# Altium PCB FMC_SDR_XFE.PcbDoc (part 1 of 4) (continued)
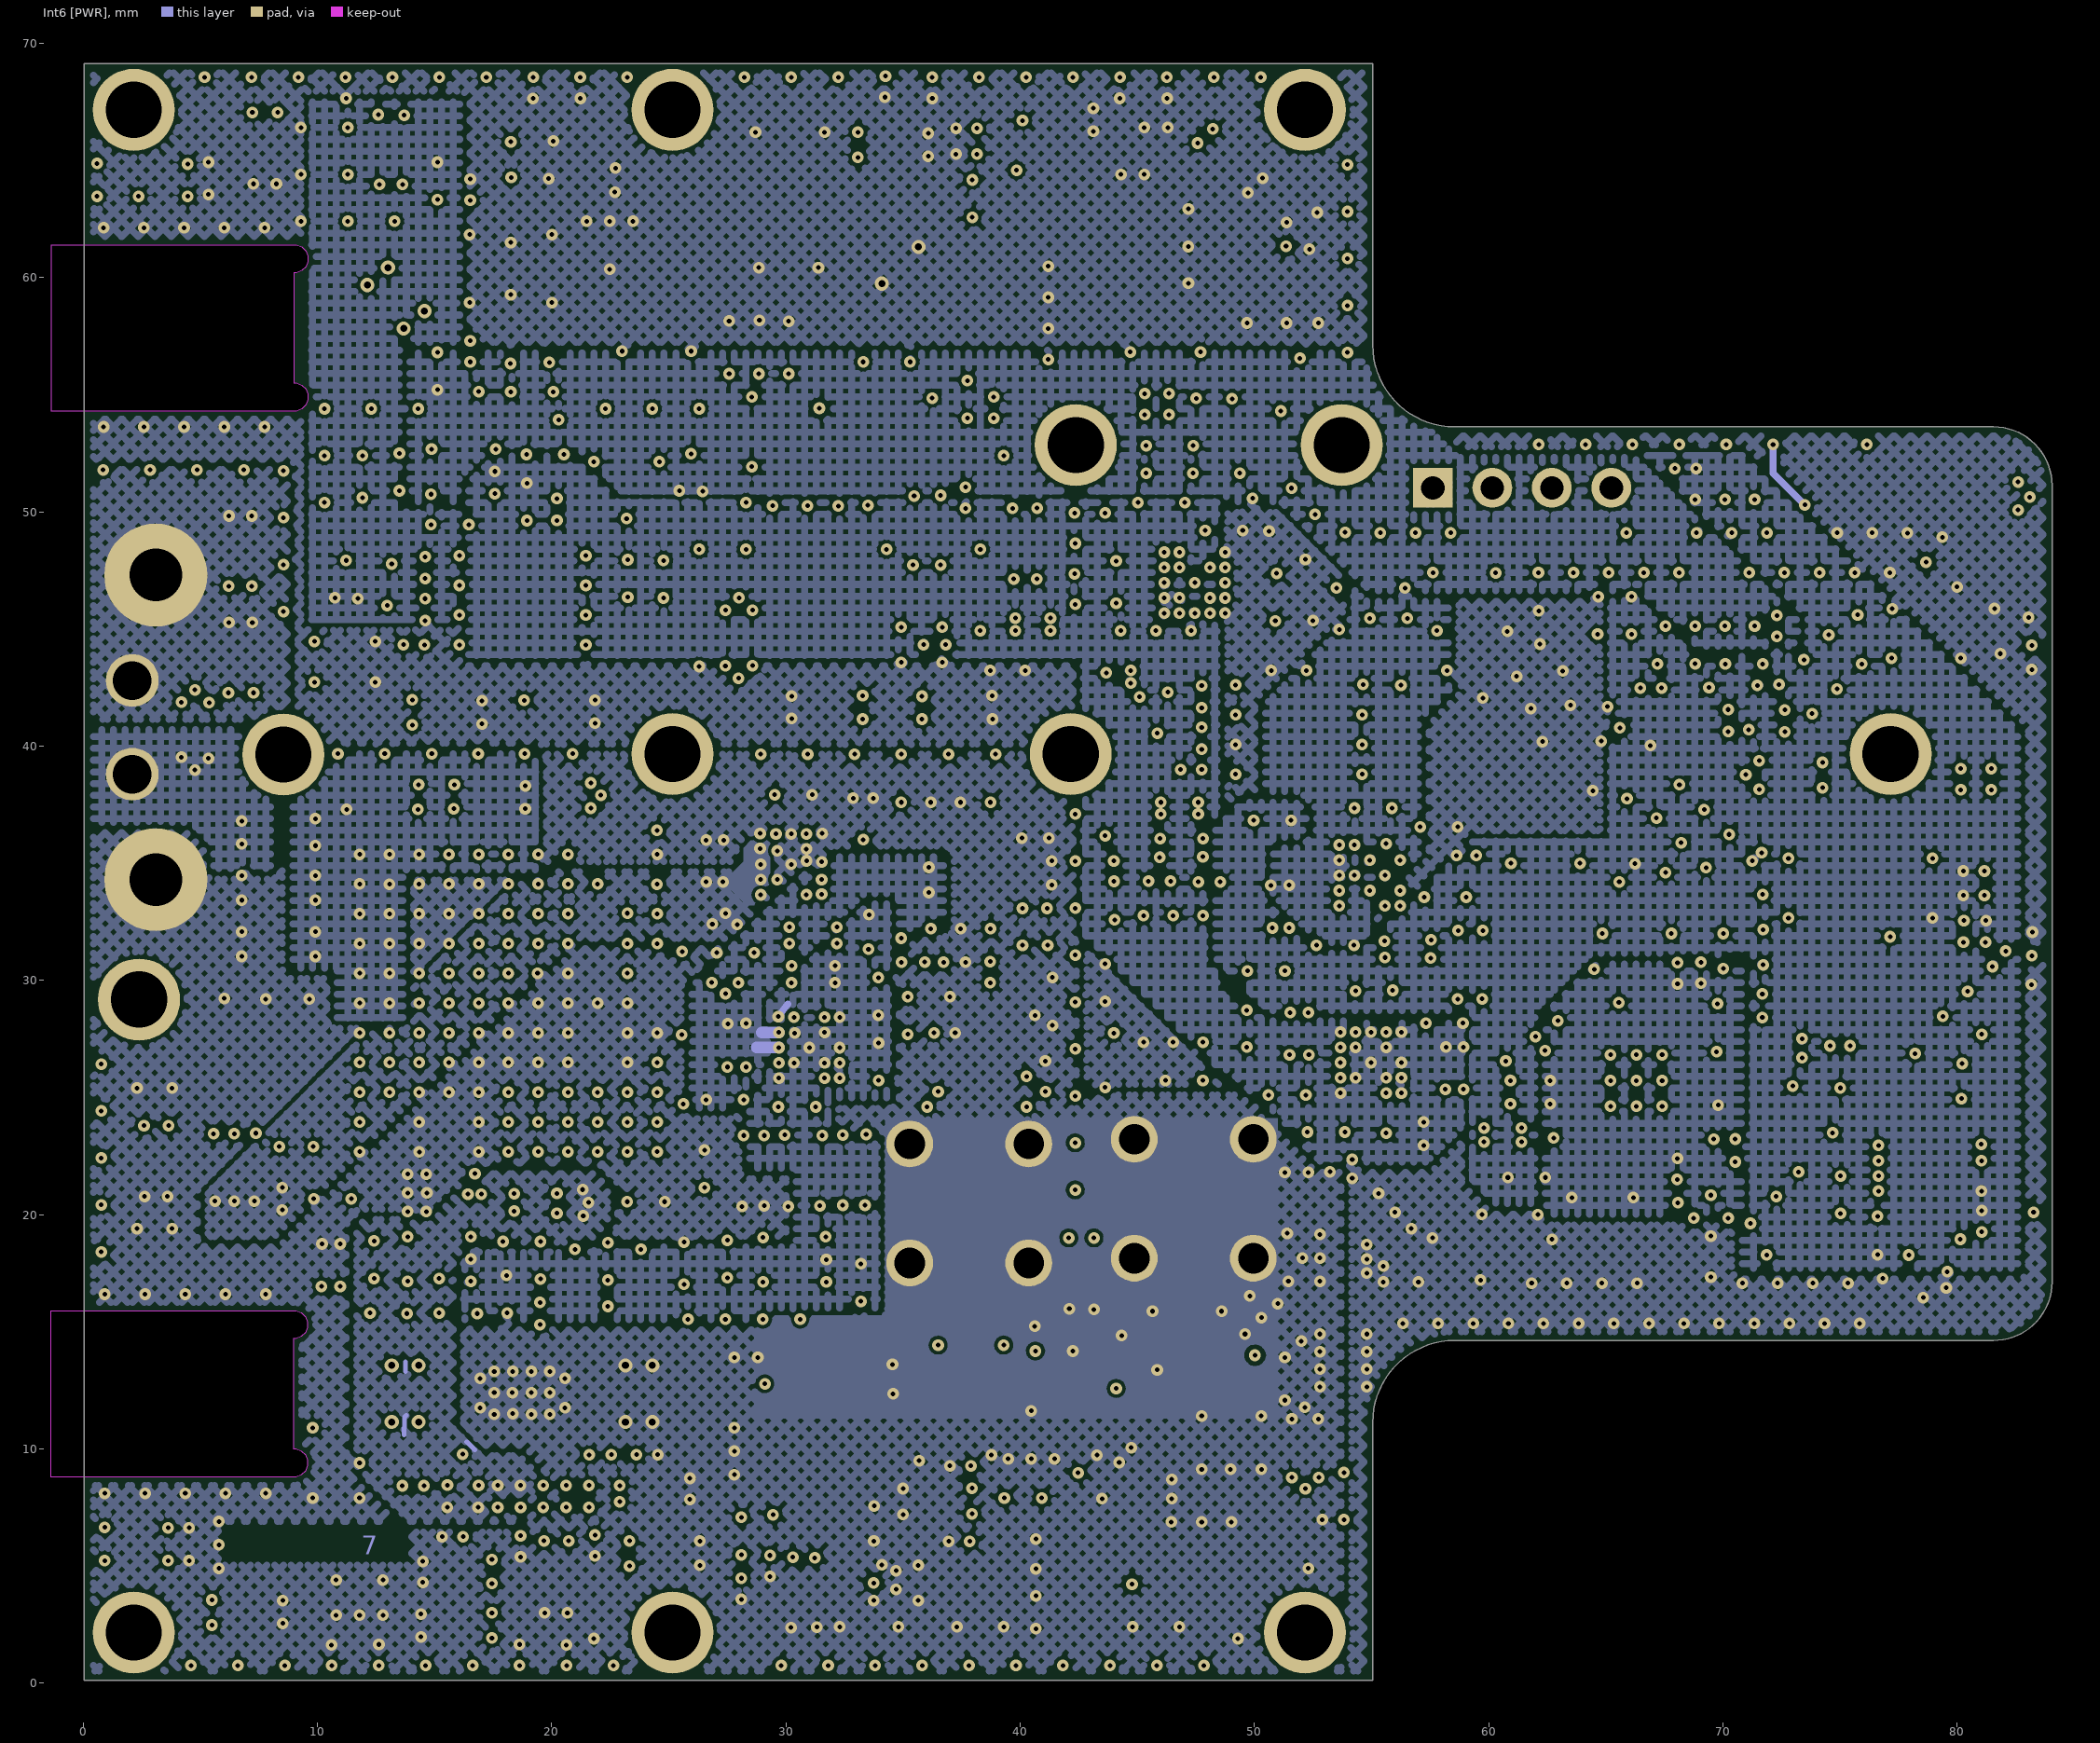
[diagram p7: Int6 [PWR]]

## Layer stack, top to bottom
Top Solder: solder mask 0.0254, SM-001, Dk 4
Top: signal copper 0.035
Dielectric 1: prepreg 0.1344, FR408HR, Dk 3.32
Int1 [GND]: signal copper 0.035
Dielectric 2: core 0.254, FR408HR, Dk 3.68
Int2 [shielded signals]: signal copper 0.035
Dielectric 3: prepreg 0.134, FR408HR, Dk 3.32
Int3 [GND]: signal copper 0.035
Dielectric 4: core 0.254, FR408, Dk 3.68
Int4 [PWR]: signal copper 0.035
Dielectric 6: prepreg 0.134, FR408HR, Dk 3.32
Int5 [signals]: signal copper 0.035
Dielectric 7: core 0.254, FR408HR, Dk 3.68
Int6 [PWR]: signal copper 0.035
Dielectric 8: prepreg 0.1344, FR408HR, Dk 3.32
Bottom: signal copper 0.035
Bottom Solder: solder mask 0.0254, SM-001, Dk 4

## Board outline
0.05,0.125 0.05,69.125 55.05,69.125 55.05,57.125 ccw(c58.55,57.125) 58.55,53.625 58.525,53.625 81.55,53.625 cw(c81.55,51.125) 84.05,51.125 84.05,17.125 cw(c81.55,17.125) 81.55,14.625 58.55,14.625 ccw(c58.55,11.125) 55.05,11.125 55.05,0.125

## Design rules (kind name [scope] priority, off if disabled: settings)
BoardOutlineClearance BoardOutlineClearance_solder [(OnLayer('Top Solder') OR OnLayer('Bottom Solder'))] p1: gap=0 ignorepadtopadclearanceinfootprint=FALSE
BoardOutlineClearance BoardOutlineClearance_shield [InNet('SCH') And OnLayer('Top')] p2: gap=0 ignorepadtopadclearanceinfootprint=FALSE
BoardOutlineClearance [All] p3: gap=0.2 ignorepadtopadclearanceinfootprint=FALSE
Clearance Clearance_3 [IsKeepOut vs InNamedPolygon('balancingB')] p1: gap=0 ignorepadtopadclearanceinfootprint=TRUE
Clearance balancing1 [not IsKeepOut vs InNamedPolygon('balancingB')] p2: gap=1 ignorepadtopadclearanceinfootprint=TRUE
Clearance Clearance_1 [OnLayer('Top Solder') vs InNetClass('50R_class')] p3: gap=0.5 ignorepadtopadclearanceinfootprint=TRUE
Clearance "Schematic Clearance Constraint_4" [InNet('NetC87_1')] p4: gap=0.15 ignorepadtopadclearanceinfootprint=FALSE except(0: Arc-Hole Track-Hole SMDPad-Hole THPad-Hole Via-Hole Fill-Hole Poly-Hole Region-Hole Text-Hole; 0.5: Arc-Arc Arc-Track Arc-SMDPad Arc-THPad Arc-Via Arc-Fill Arc-Poly Arc-Region Arc-Text Track-Track Track-SMDPad Track-THPad Track-Via Track-Fill Track-Poly Track-Region Track-Text)
Clearance "Schematic Clearance Constraint_3" [InNet('NetC88_1')] p5: gap=0.15 ignorepadtopadclearanceinfootprint=FALSE except(0: Arc-Hole Track-Hole SMDPad-Hole THPad-Hole Via-Hole Fill-Hole Poly-Hole Region-Hole Text-Hole; 0.5: Arc-Arc Arc-Track Arc-SMDPad Arc-THPad Arc-Via Arc-Fill Arc-Poly Arc-Region Arc-Text Track-Track Track-SMDPad Track-THPad Track-Via Track-Fill Track-Poly Track-Region Track-Text)
Clearance ClearanceSCHpolygon [(InNet('SCH') AND OnLayer('Int2 [shielded signals]')) vs (IsTrack OR IsArc)] p6: gap=0.5 ignorepadtopadclearanceinfootprint=TRUE
Clearance "Schematic Clearance Constraint_2" [InNet('NetC10_PreampRX2_1')] p7: gap=0.15 ignorepadtopadclearanceinfootprint=FALSE except(0: Arc-Hole Track-Hole SMDPad-Hole THPad-Hole Via-Hole Fill-Hole Poly-Hole Region-Hole Text-Hole; 0.5: Arc-Arc Arc-Track Arc-SMDPad Arc-THPad Arc-Via Arc-Fill Arc-Poly Arc-Region Arc-Text Track-Track Track-SMDPad Track-THPad Track-Via Track-Fill Track-Poly Track-Region Track-Text)
Clearance "Schematic Clearance Constraint_1" [InNet('NetC38_1')] p8: gap=0.15 ignorepadtopadclearanceinfootprint=FALSE except(0: Arc-Hole Track-Hole SMDPad-Hole THPad-Hole Via-Hole Fill-Hole Poly-Hole Region-Hole Text-Hole; 0.5: Arc-Arc Arc-Track Arc-SMDPad Arc-THPad Arc-Via Arc-Fill Arc-Poly Arc-Region Arc-Text Track-Track Track-SMDPad Track-THPad Track-Via Track-Fill Track-Poly Track-Region Track-Text)
Clearance "Schematic Clearance Constraint" [InNet('NetC81_PreampLO_TX_1')] p9: gap=0.15 ignorepadtopadclearanceinfootprint=FALSE except(0: Arc-Hole Track-Hole SMDPad-Hole THPad-Hole Via-Hole Fill-Hole Poly-Hole Region-Hole Text-Hole; 0.5: Arc-Arc Arc-Track Arc-SMDPad Arc-THPad Arc-Via Arc-Fill Arc-Poly Arc-Region Arc-Text Track-Track Track-SMDPad Track-THPad Track-Via Track-Fill Track-Poly Track-Region Track-Text)
Clearance Clearance_Diff [InNetClass('100R_diff')] p10: gap=0.15 ignorepadtopadclearanceinfootprint=TRUE except(0: Arc-Text Arc-Hole Track-Text Track-Hole SMDPad-Text SMDPad-Hole THPad-Text THPad-Hole Via-Text Via-Hole Fill-Text Fill-Hole Poly-Text Poly-Hole Region-Text Region-Hole Text-Text Text-Hole; 0.203: THPad-THPad THPad-Via THPad-Fill THPad-Poly THPad-Region Via-Via Via-Fill Via-Poly Via-Region)
Clearance Clearance_50R_components [InComponentClass('50R_interconnected') vs InNetClass('50R_class') or IsDifferentialPair or OnLayer(Keepout)] p11: gap=0.15 ignorepadtopadclearanceinfootprint=FALSE except(0: Arc-Text Arc-Hole Track-Text Track-Hole SMDPad-Text SMDPad-Hole THPad-Text THPad-Hole Via-Text Via-Hole Fill-Text Fill-Hole Poly-Text Poly-Hole Region-Text Region-Hole Text-Text Text-Hole; 0.203: THPad-THPad THPad-Via Via-Via Via-Fill Via-Poly Via-Region) // for the layers where 50 track is thinner than 0.2mm
Clearance Clearance_50R_GNDvias [IsVia and ( InNet('GND') or InNet('PA_GND')) vs InNetClass('50R_class') or IsDifferentialPair] p12: gap=0.15 ignorepadtopadclearanceinfootprint=FALSE except(0: Arc-Text Arc-Hole Track-Text Track-Hole SMDPad-Text SMDPad-Hole THPad-Text THPad-Hole Via-Text Via-Hole Fill-Text Fill-Hole Poly-Text Poly-Hole Region-Text Region-Hole Text-Text Text-Hole; 0.203: THPad-THPad THPad-Via Via-Via Via-Fill Via-Poly Via-Region) // for the layers where 50 track is thinner than 0.2mm
Clearance Clearance_50R_INT [InNetClass('50R_class') vs (OnLayer('Int2') OR OnLayer('Int3'))] p13: gap=1 ignorepadtopadclearanceinfootprint=FALSE except(0: Arc-Text Arc-Hole Track-Text Track-Hole SMDPad-Text SMDPad-Hole THPad-Text THPad-Hole Via-Text Via-Hole Fill-Text Fill-Hole Poly-Text Poly-Hole Region-Text Region-Hole Text-Text Text-Hole; 0.15: SMDPad-SMDPad SMDPad-THPad SMDPad-Via SMDPad-Fill SMDPad-Poly SMDPad-Region Fill-Fill Fill-Poly Fill-Region Poly-Poly Poly-Region Region-Region; 0.203: THPad-THPad THPad-Via THPad-Fill THPad-Poly THPad-Region Via-Via Via-Fill Via-Poly Via-Region)
Clearance Clearance_50R_EXT [InNetClass('50R_class')] p14: gap=0.5 ignorepadtopadclearanceinfootprint=FALSE except(0: Arc-Text Arc-Hole Track-Text Track-Hole SMDPad-Text SMDPad-Hole THPad-Text THPad-Hole Via-Text Via-Hole Fill-Text Fill-Hole Poly-Text Poly-Hole Region-Text Region-Hole Text-Text Text-Hole; 0.15: SMDPad-SMDPad SMDPad-THPad SMDPad-Via SMDPad-Fill SMDPad-Poly SMDPad-Region Fill-Fill Fill-Poly Fill-Region Poly-Poly Poly-Region Region-Region; 0.203: THPad-THPad THPad-Via THPad-Fill THPad-Poly THPad-Region Via-Via Via-Fill Via-Poly Via-Region) // for the layers where 50 track is thinner than 0.2mm
Clearance [All] p15: gap=0.15 ignorepadtopadclearanceinfootprint=TRUE except(0: Arc-Text Arc-Hole Track-Text Track-Hole SMDPad-Text SMDPad-Hole THPad-Text THPad-Hole Via-Text Via-Hole Fill-Text Fill-Hole Poly-Text Poly-Hole Region-Text Region-Hole Text-Text Text-Hole)
ComponentClearance [All] p1: gap=0.2 collisioncheckmode=3 verticalgap=0.2 showdistances=FALSE
DiffPairsRouting [InDifferentialPairClass('100R_diff')] p1: maxlimit=0.254 minlimit=0.127 mostfreqgap=0.254 toplayer_maxgap=0.2 toplayer_prefgap=0.2 toplayer_minwidth=0.106 toplayer_maxwidth=0.204 toplayer_prefwidth=0.18 impedanceprofiledriven=TRUE impedanceprofileid={59B4253F-909B-4741-8C59-0C7B126F9FB3} maxuncoupledlength=7 // All RF and LVDS differential pairs. Uncoupled length for 2GHz.
FanoutControl Fanout_BGA [IsBGA] p1: bgadir=Out bgaviamode=Centered fanoutstyle=UnderPads fanoutdirection=Alternating viagrid=0.025 // Fanout_BGA (Default Rule)
FanoutControl Fanout_Default [All] p5: bgadir=Out bgaviamode=Centered fanoutstyle=UnderPads fanoutdirection=Alternating viagrid=0.025 // Fanout_Default (Default Rule)
HoleToHoleClearance [All] p1: gap=0.2 allowstackedmicrovias=TRUE
MinimumSolderMaskSliver [All] p1: minsoldermaskwidth=0
PolygonConnect [All] p1: connectstyle=Direct reliefconductorwidth=0.3 reliefentries=4 polygonreliefangle="90 Angle" airgapwidth=0.2
RoutingVias [All] p1: holewidth=0.2 width=0.5 viastyle="Through Hole" minholewidth=0.2 minwidth=0.5 maxholewidth=8 maxwidth=10
SilkToSilkClearance [All] p1: silktosilkclearance=0
SilkToSolderMaskClearance [IsPad] p1: minsilkscreentomaskgap=0.01 clearancetoexposedcopper=TRUE
SolderMaskExpansion SolderMaskExpansion_1 [InNet('SH')] p1: expansion=0.1
SolderMaskExpansion [All] p2: expansion=0.102
Width Width_50R [InNetClass('50R_class')] p1: maxlimit=0.26 minlimit=0.15 preferedwidth=0.17 toplayer_minwidth=0.22 toplayer_prefwidth=0.24 midlayer1_maxwidth=0.19 midlayer2_maxwidth=0.19 midlayer3_maxwidth=0.19 midlayer4_maxwidth=0.19 midlayer5_maxwidth=0.19 midlayer6_maxwidth=0.19 bottomlayer_minwidth=0.22 bottomlayer_prefwidth=0.24 impedanceprofiledriven=TRUE impedanceprofileid={AAA84BB5-2217-4FCB-8379-AF56446E369D} minimp=50.000000 maximp=50.000000 favimp=50.000000
Width Width_midPower [InNetClass('midPower')] p2: maxlimit=10 minlimit=0.2 preferedwidth=0.7
Width Width_highPower [InNetClass('highPower')] p3: maxlimit=10 minlimit=0.2 preferedwidth=1.5
Width [All] p4: maxlimit=10 minlimit=0.1 preferedwidth=0.25
22 further rules are at their usual default settings.

## Classes and differential pairs
component class PA_LDO: C48 C50 C53 IC26 R108 R109 R110 R111 R112 R114
component class 50R_interconnected: BSC1 BSC2 C10_PreampLO_RX C10_PreampRX1 C10_PreampRX2 C45 C46 C47 C48 C49 C81_PreampLO_TX C81_PreampTX C82_PreampLO_TX C82_PreampTX C87 FL1 FL2 FL3 FL4 FL5 FL6 IC1_PreampLO_RX IC1_PreampRX1 IC1_PreampRX2 IC8 IC9 IC15 IC16 IC20 IC21 IC23_PreampLO_TX IC23_PreampTX J1 J2 J3 J4 J5 J6 J7 J8 J9 J10 J11 J12 J13 J14 L1_PreampLO_RX L1_PreampRX1 L1_PreampRX2 L2 L3 L4_PreampLO_TX L4_PreampTX OSC1 R1 R2 R3 R4 R6 R7 R8 R25 R36 R44 R54 R55 R64 R65 R66 R67 R68 R69 R72 R73 R74 R75 U6
component class TGA3042: C22 C23 C24 C25 C26 C27 C28 C29 C36 D1 D2 IC21 IC22 R41 R42 R43 R45 R46 R47 R48 R49 R53 R76 R77 R78 R79
component class QPA2609: C30 C31 C32 C33 C34 C35 IC20 R61 R63 R102 R103
component class PreampTX: C78_PreampTX C79_PreampTX C80_PreampTX C81_PreampTX C82_PreampTX IC23_PreampTX L4_PreampTX R59_PreampTX
component class PreampRX2: C1_PreampRX2 C2_PreampRX2 C3_PreampRX2 C10_PreampRX2 IC1_PreampRX2 L1_PreampRX2 R58_PreampRX2
component class PreampRX1: C1_PreampRX1 C2_PreampRX1 C3_PreampRX1 C10_PreampRX1 IC1_PreampRX1 L1_PreampRX1 R58_PreampRX1
component class PreampLO_TX: C78_PreampLO_TX C79_PreampLO_TX C80_PreampLO_TX C81_PreampLO_TX C82_PreampLO_TX IC23_PreampLO_TX L4_PreampLO_TX R59_PreampLO_TX
component class PreampLO_RX: C1_PreampLO_RX C2_PreampLO_RX C3_PreampLO_RX C10_PreampLO_RX IC1_PreampLO_RX L1_PreampLO_RX R58_PreampLO_RX
component class PLL: C37 C45 C46 C47 C49 C109 C110 C111 C112 C113 C114 C115 C116 C117 C118 C119 C120 C121 C122 C123 C124 C200 C201 L2 L3 R39 R40 R73 R74 R75 R88 R107 R116 R125 U6
component class INV_neg5V: C41 C42 IC13 R60 R62 R118
component class INV_neg5V_PA: C92 C93 IC25 R100 R101 R120
component class BUCKBOOST_PA: C4 C5 C6 C7 C8 C9 C12 C83 C84 C85 C86 IC2 R12 R13 R14 R15 R16 R17 R18
component class BUCK_5V5: C39_BUCK_5V5 C40_BUCK_5V5 IC3_BUCK_5V5 R51_BUCK_5V5 R117_BUCK_5V5
component class BUCK_5V5_PA: C90 C91 IC24 R99 R119
component class BUCK_3V8: C39_BUCK_3V8 C40_BUCK_3V8 IC3_BUCK_3V8 R51_BUCK_3V8 R117_BUCK_3V8
channel class PreampTX: PreampLO_TX PreampTX
channel class LTM8074: BUCK_3V8 BUCK_5V5 BUCK_5V5_PA
channel class Preamp: PreampLO_RX PreampLO_TX PreampRX
differential pair class 100R_diff: DIV_out DIV_PLLin PLLout REFIN TX_NSHDND TX_SHDND TXLO VDET
net class highPower: BUCKBOOST_OUT EXTERNAL_PS FE_3V8 FE_5V5 FE_-5V FE_PA_-5V FMC_3V3_IN FMC_12V_IN GND NetC12_2 NetC39_BUCK_3V8_2 NetC39_BUCK_5V5_2 NetC40_BUCK_3V8_2 NetC91_2 PA_GND PA_PS_5V5 PA_PS_IN
net class midPower: FE_3V3 FE_3V3_PLL FE_3V8 FE_5V0 FE_5V0_Preamp FE_5V5 FE_5V_PLL FE_-5V FE_PA_-5V GND LNA_3V3 LNA_VG NetC15_2 NetC16_2 NetC19_2 NetC30_2 NetC33_2 NetC68_2 NetC70_2 NetC73_2 NetC76_2 NetC91_2 NetC109_2 NetC113_1 NetC114_2 NetC116_1 NetC117_2 NetC120_2 NetC122_1 NetIC5_5 NetIC10_5 NetIC17_5 NetIC19_5 NetL1_PreampLO_RX_3 NetL1_PreampRX1_3 NetL1_PreampRX2_3 NetL4_PreampLO_TX_3 NetL4_PreampTX_3 PA_5V PA_PS_5V5 PA_VG3 PA_VG12
net class 50R_class: "LO RX" LO_TX NetBSC1_1 NetC10_PreampLO_RX_1 NetC10_PreampLO_RX_2 NetC10_PreampRX1_1 NetC10_PreampRX1_2 NetC10_PreampRX2_1 NetC10_PreampRX2_2 NetC37_2 NetC45_2 NetC46_1 NetC47_1 NetC49_1 NetC81_PreampLO_TX_1 NetC81_PreampTX_1 NetC81_PreampTX_2 NetC82_PreampLO_TX_1 NetC82_PreampLO_TX_2 NetC82_PreampTX_1 NetC82_PreampTX_2 NetC87_1 NetC88_1 NetFL1_1 NetFL1_3 NetFL2_1 NetFL2_3 NetFL3_1 NetFL4_1 NetFL4_3 NetFL6_1 NetFL6_3 NetIC6_4 NetIC7_2 NetIC7_4 NetIC8_2 NetIC9_3 NetIC9_8 NetIC15_1 NetIC15_6 NetJ4_1 NetJ7_1 NetJ8_1 NetJ9_1 NetJ10_1 NetJ11_1 NetJ13_1 NetJ14_1 REF_OUT RX_OUT TX_IN
differential pair REFIN: +REFIN_P -REFIN_N
differential pair PLLout: +PLLout_P -PLLout_N

## Components (designator, comment, footprint, x,y, rotation, side; value= is the part's Value field where it differs from the comment)
B1 "Plated Hole" MTG240_400#1 42.375,52.85 r0 top locked
B3 "Plated Hole" MTG240_400#1 53.725,52.85 r0 top locked
B5 "Plated Hole" MTG240_400#2 25.388,39.68 r0 top locked
B8 "Plated Hole" MTG240_400#2 52.388,67.18 r0 top locked
B9 "Plated Hole" MTG240_400#3 2.25,66.975 r0 top locked
B10 "Plated Hole" MTG240_400#4 2.2,2.275 r0 top locked
B11 "Plated Hole" MTG240_400#2 42.388,39.68 r0 top locked
B13 "Plated Hole" MTG240_400#2 52.388,2.18 r0 top locked
B15 "Plated Hole" MTG240_400#5 77.263,40.355 r0 top locked
B16 "Plated Hole" MTG240_400#6 8.55,39.659 r0 top locked
B29 "Plated Hole" MTG240_400#1 2.388,29.18 r0 top locked
B30 "Plated Hole" MTG240_400#2 25.388,2.18 r0 top locked
B31 "Plated Hole" MTG240_400#2 25.388,67.18 r0 top locked
BSC1 "06031206 Male" PCB_CONN_0603M 83.312,31.027 r0 top locked
BSC2 "06031206 Male" PCB_CONN_0603M 83.312,44.3 r0 top locked
BSC3 "06031206 Male" PCB_CONN_0603M 83.312,28.403 r0 top locked
BSC4 "06031206 Male" PCB_CONN_0603M 83.312,22.105 r0 top locked
BSC5 "06031206 Male" PCB_CONN_0603M 83.312,47.3 r0 top locked
BSC6 "06031206 Male" PCB_CONN_0603M 83.312,33.704 r0 top locked
BSC7 "06031206 Male" PCB_CONN_0603M 83.312,36.348 r0 top locked
BSC8 "06031206 Male" PCB_CONN_0603M 64.14,52.872 r90 top locked
BSC10 "06031206 Male" PCB_CONN_0603M 66.14,52.872 r90 top locked
BSC11 "06031206 Male" PCB_CONN_0603M 68.14,52.872 r90 top locked
BSC12 "06031206 Male" PCB_CONN_0603M 78.14,52.872 r90 top locked
BSC13 "06031206 Male" PCB_CONN_0603M 62.14,52.872 r90 top locked
BSC14 "06031206 Male" PCB_CONN_0603M 80.14,52.872 r90 top locked
BSC15 "06031206 Male" PCB_CONN_0603M 74.14,52.872 r90 top locked
BSC16 "06031206 Male" PCB_CONN_0603M 83.312,20.1 r0 top locked
BSC17 "06031206 Male" PCB_CONN_0603M 76.14,52.872 r90 top locked
BSC18 "1206 Male" PCB_CONN_1206M 82.85,17.675 r0 top locked
BSC19 "1206 Male" PCB_CONN_1206M 82.85,50.675 r0 top locked
BSC20 "06031206 Male" PCB_CONN_0603M 72.14,52.872 r90 top locked
BSC21 "06031206 Male" PCB_CONN_0603M 70.14,52.872 r90 top locked
C1_PreampLO_RX "100pF" CAPC1005X55N 37.669,50.6 r90 top (schematic designator C1)
C1_PreampRX1 "100pF" CAPC1005X55N 37.708,65.27 r0 top (schematic designator C1)
C1_PreampRX2 "100pF" CAPC1005X55N 46.35,54.6 r90 top (schematic designator C1)
C2_PreampLO_RX "1nF" CAPC1005X55N 38.875,54.45 r270 top (schematic designator C2)
C2_PreampRX1 "1nF" CAPC1005X55N 37.708,66.37 r0 top (schematic designator C2)
C2_PreampRX2 "1nF" CAPC1005X55N 45.318,54.595 r90 top (schematic designator C2)
C3_PreampLO_RX "10uF" CAPC3216X180N 36.024,49.249 r90 top (schematic designator C3)
C3_PreampRX1 "10uF" CAPC3216X180N 41.6,66.699 r180 top (schematic designator C3)
C3_PreampRX2 "10uF" CAPC3216X180N 46.2,56.825 r0 top (schematic designator C3)
C4 "2.2uF" CAPC3216X180N 8.375,33.934 r0 top
C5 "2.2uF" CAPC3216X180N 8.375,31.575 r0 top
C6 "2.2uF" CAPC3216X180N 12.775,37.825 r180 top
C7 "2.2uF" CAPC3216X180N 17.35,37.825 r0 top
C8 "Undefined" CAPC1608X90N 23.45,34.8 r270 bottom
C9 "Undefined" CAPC1608X90N 21.3,32.825 r0 bottom
C10_PreampLO_RX "100pF" CAPC1005X55N 31.484,46.95 r90 top (schematic designator C10)
C10_PreampRX1 "100pF" CAPC1005X55N 37.6,58.475 r0 top (schematic designator C10)
C10_PreampRX2 "100pF" CAPC1005X55N 44.195,59.925 r90 top (schematic designator C10)
C11 "1uF" CAPC1608X87N 47,25.725 r0 bottom
C12 "47uF" CAPC_TDK_CKG57N 7.8,26.05 r270 top
C13 "100pF" CAPC1005X55N 80.711,34.665 r180 top
C14 "1nF" CAPC1005X55N 80.712,33.628 r180 top
C15 "10nF" CAPC1608X87N 13.048,15.8 r180 top
C16 "10nF" CAPC1608X87N 15.65,49.45 r180 top
C17 "1uF" CAPC1608X87N 18.95,50.425 r90 top
C18 "10uF" CAPC2012X95N 11.925,51.5 r270 top
C19 "10nF" CAPC1608X87N 27.475,18.125 r270 top
C20 "1uF" CAPC1608X87N 33.2,17.1 r90 top
C21 "10uF" CAPC2012X95N 25.65,17.925 r270 top
C22 "1nF" CAPC1005X55N 24.075,9.75 r180 top
C23 "1uF" CAPC3216X140N 24.425,8.275 r180 top
C24 "1nF" CAPC1005X55N 21.85,5.875 r90 top
C25 "1uF" CAPC3216X140N 20.2,4.55 r90 top
C26 "1nF" CAPC1005X55N 18.673,5.84 r90 top
C27 "1uF" CAPC3216X140N 15.95,4.75 r0 top
C28 "1nF" CAPC1005X55N 15.773,6.25 r0 top
C29 "1nF" CAPC1005X55N 14.075,8.425 r0 top
C30 "100nF" CAPC1005X55N 19.875,63.775 r270 top
C31 "100nF" CAPC1005X55N 16.525,63.75 r270 top
C32 "10uF" CAPC2012X135N 19.157,65.794 r180 top
C33 "100nF" CAPC1005X55N 19.9,56.825 r90 top
C34 "100nF" CAPC1005X55N 16.525,56.85 r90 top
C35 "10uF" CAPC2012X135N 19.15,55.075 r180 top
C36 "10nF" CAPC1005X55N 68.4,51.85 r180 top
C37 "Undefined" CAPC1005X55N 65.3,19.375 r270 top
C38 "10pF" CAPC1005X55N 53.85,13.375 r180 bottom
C39_BUCK_3V8 "1uF" CAPC2012X110N 51.113,33.15 r90 top (schematic designator C39)
C39_BUCK_5V5 "1uF" CAPC2012X110N 50.945,48.273 r270 top (schematic designator C39)
C40_BUCK_3V8 "10uF" CAPC2012X95N 59.038,34.45 r270 top (schematic designator C40)
C40_BUCK_5V5 "10uF" CAPC2012X95N 44.1,47 r90 top (schematic designator C40)
C41 "1uF" CAPC2012X110N 51.925,27.725 r270 top
C42 "10uF" CAPC2012X95N 58.523,26.265 r270 top
C43 "100pF" CAPC1005X55N 66.477,42.031 r270 bottom
C44 "1nF" CAPC1005X55N 67.377,42.031 r270 bottom
C45 "Undefined" CAPC1005X55N 64.425,19.4 r270 top
C46 "100pF" CAPC1005X55N 67.025,19.4 r270 top
C47 "10nF" CAPC1005X55N 65.775,30.625 r270 top
C48 "1uF" CAPC1608X87N 10.65,20.675 r0 top
C49 "10nF" CAPC1005X55N 66.825,30.625 r270 top
C50 "2.2uF" CAPC2012X140N 15.8,20.5 r0 top
C51 "1uF" CAPC3216X140N 52.175,10.025 r90 top
C52 "10pF" CAPC1005X55N 53.85,14.375 r180 bottom
C53 "2.2uF" CAPC2012X140N 19.3,20.5 r180 top
C54 "10pF" CAPC1005X55N 53.85,15.375 r180 bottom
C55 "10pF" CAPC1005X55N 53.85,16.375 r180 bottom
C56 "10pF" CAPC1005X55N 53.85,18.375 r180 bottom
C57 "1uF" CAPC3216X140N 6.725,48.35 r90 top
C58 "10pF" CAPC1005X55N 53.85,17.375 r180 bottom
C59 "10pF" CAPC1005X55N 53.85,19.375 r180 bottom
C60 "1uF" CAPC3216X140N 20.325,41.45 r180 top
C63 "10pF" CAPC1005X55N 53.85,20.375 r180 bottom
C64 "10pF" CAPC1005X55N 53.85,22.375 r180 bottom
C65 "10pF" CAPC1005X55N 53.85,21.375 r180 bottom
C68 "10uF" CAPC2012X95N 46.875,35.65 r0 top
C69 "10nF" CAPC1005X55N 43.999,34.644 r90 top
C70 "10uF" CAPC2012X95N 46.3,41.4 r90 top
C71 "10nF" CAPC1005X55N 47.3,39 r180 top
C72 "1uF" CAPC1608X87N 24.773,47.124 r270 top
C73 "10uF" CAPC2012X95N 13.173,46.924 r90 top
C74 "10nF" CAPC1005X55N 14.118,44.321 r180 top
C75 "1uF" CAPC1608X87N 36.15,36.825 r270 bottom
C76 "10uF" CAPC2012X95N 36.1,29.3 r180 top
C77 "10nF" CAPC1005X55N 38.725,30.35 r270 top
C78_PreampLO_TX "100pF" CAPC1005X55N 37.45,9.275 r0 top (schematic designator C78)
C78_PreampTX "100pF" CAPC1005X55N 29.325,5 r90 top (schematic designator C78)
C79_PreampLO_TX "1nF" CAPC1005X55N 37.4,6.05 r0 top (schematic designator C79)
C79_PreampTX "1nF" CAPC1005X55N 28.101,4.025 r90 top (schematic designator C79)
C80_PreampLO_TX "10uF" CAPC3216X180N 36.425,7.745 r0 top (schematic designator C80)
C80_PreampTX "10uF" CAPC3216X180N 30.775,3.875 r90 top (schematic designator C80)
C81_PreampLO_TX "100pF" CAPC1005X55N 44.325,4.225 r0 top (schematic designator C81)
C81_PreampTX "100pF" CAPC1005X55N 30.65,11.65 r180 top (schematic designator C81)
C82_PreampLO_TX "100pF" CAPC1005X55N 37.325,4.25 r0 top (schematic designator C82)
C82_PreampTX "100pF" CAPC1005X55N 38.125,11.65 r180 top (schematic designator C82)
C83 "10uF" CAPC3225X280N 32.425,21.9 r90 top
C84 "10uF" CAPC3225X280N 29.076,21.875 r90 top
C85 "1uF" CAPC1608X87N 26.525,21.95 r270 top
C86 "1uF" CAPC1608X87N 24.025,20.55 r180 top
C87 "100pF" CAPC1005X55N 50.9,61.342 r0 top
C88 "100pF" CAPC1005X55N 31.425,53.95 r90 top
C90 "1uF" CAPC2012X110N 26.975,35.094 r270 top
C91 "10uF" CAPC2012X95N 33.3,36.9 r270 top
C92 "1uF" CAPC2012X110N 27.922,27.27 r90 top
C93 "10uF" CAPC2012X95N 31.15,30.275 r180 top
C95 "1uF" CAPC3216X140N 37.325,41.65 r180 top
C98 "1uF" CAPC3216X140N 40.625,34.575 r90 top